# Altium PCB PCB1.PcbDoc (part 2 of 3) (continued)
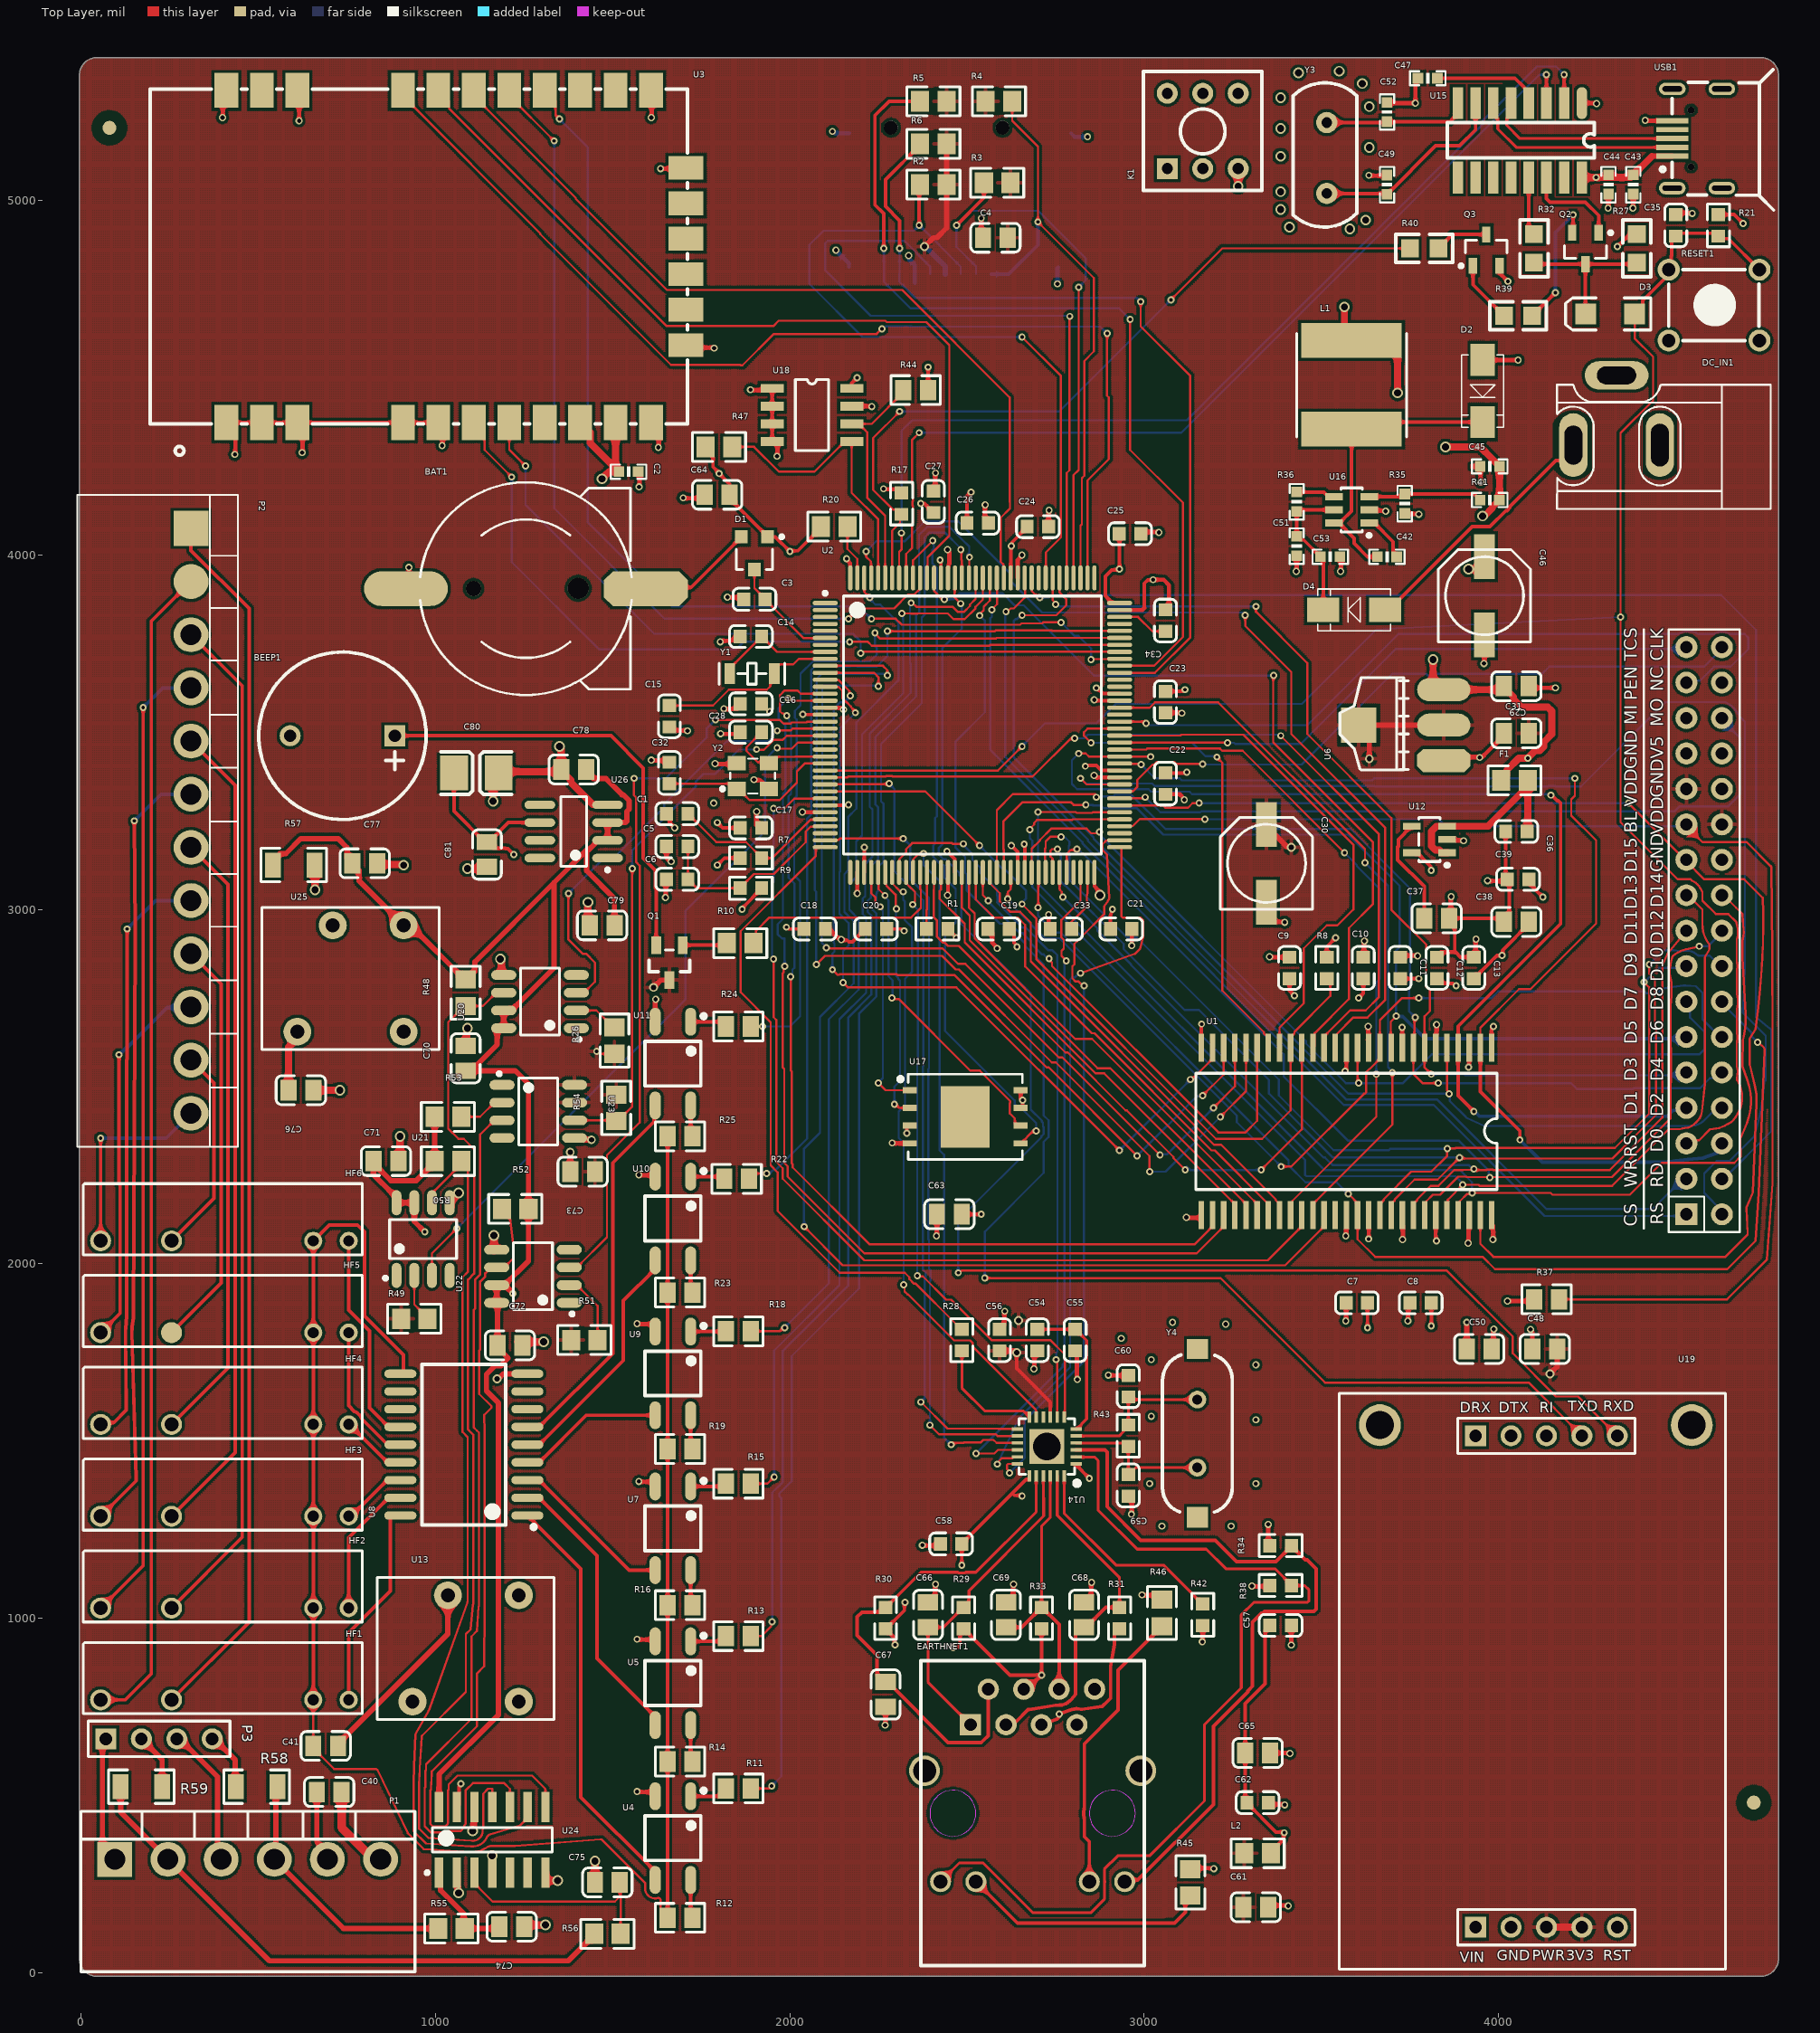
[diagram p0: Top Layer view]
## Nets (pads, with @x,y where several pads share a name; then routed paths per layer and width w, separated by ;. In a path a pad name is that pad's centre, name@x,y a point inside that pad or via, vN(x,y) a via of type N, cw(c..) or ccw(c..) an arc to the next point about the centre after c; other vN are vias at no path point) (continued)
  Top Layer w6: U2.118@2682.32,3935.35 2683.1,3934.57 2683.1,3898 2698.31,3882.79 2702.47,3882.79 v1(2705.15,3880.11)
  Bottom Layer w6: v1(2705.15,3880.11) 2730.38,3880.11 2737.26,3887 4628,3887 4726.49,3788.51 4726.49,2696 4730,2692.49 4766.03,2663.7 4769.52,2660.21 4769.52,2374.52 TFTLCD1.4@4630,2235
FMC-NWE: TFTLCD1.3 U2.119 | length 3021.9
  Top Layer w6: v1(2610,3840) 2613.79,3840 2622.97,3849.18 2631.93,3849.18 2663.35,3880.61 2663.35,3934.64 U2.119@2662.64,3935.35
  Bottom Layer w6: v1(2610,3840) 2607.87,3837.87 2607.87,3430.05 2841.3,3196.62 2841.3,3193.01 3088.76,2945.55 3088.76,2945.04 3569.66,2464.15 3825.85,2464.15 4135,2155 4435,2155 4515,2235 TFTLCD1.3@4530,2235
FMC-SDCKE0: U1.37 U2.29 | length 2847.5
  Top Layer w6: v1(1954,2860) 1954,2695.78 1961.85,2687.93 1961.85,2287.52 1979.87,2269.5 1979.87,2240.33 2210.2,2010 3348.5,2010 3444.57,2106.06 U1.37@3444.57,2137.56 ; v1(1954,3285) 1985,3285 2012.53,3312.53 U2.29@2099.65,3312.53
  Bottom Layer w6: v1(1954,2860) 1954,2863.79 1949.54,2868.25 1949.54,3072.5 1954,3076.96 v1(1954,3285)
FMC-SDCLK: U1.38 U2.93 | length 2027.7
  Top Layer w6: U2.93@2930.35,3569.21 3015.43,3569.21 3030.21,3583.99 3208.88,3583.99 3623.1,3169.78 3623.1,3132.1 v1(3622.85,3131.85) v1@3622.85,3131.6 ; U1.38@3476.06,2137.56 3476.06,2169.06 3700,2392.99 v1(3700,2540)
  Bottom Layer w6: v1(3622.85,3131.85) 3688.11,3066.59 3688.11,2554.98 3700,2543.08 v1(3700,2540)
  other v1: 3622.85,3131.85
FMC-SDNCAS: U1.17 U2.132 | length 2345.1
  Top Layer w6: U2.132@2406.73,3935.35 2407.51,3934.57 2407.51,3898 2427.83,3877.68 2433.09,3877.68 v1(2435.77,3875) ; v1(3365,3660) 3364,3659 3364,3471 3645.7,3189.3 3645.7,3015.7 3577.5,2947.5 3577.5,2747.5 3480.94,2650.94 3480.94,2614.87 U1.17@3476.06,2610
  Bottom Layer w6: v1(2435.77,3875) 2461.5,3875 2478.34,3891.84 2600.29,3891.84 2634.01,3858.12 2659.8,3858.12 2857.92,3660 v1(3365,3660)
FMC-SDNE0: R8.2 U1.19 U2.28 | length 2281.3
  Top Layer w6: U2.28@2099.65,3332.99 2382.01,3332.99 v1(2535,3180) ; v1(2655.04,3015.16) 2655.04,3014.96 2695.42,2974.58 2695.42,2859.88 3202.53,2352.78 3332.78,2352.78 3413.07,2433.07 U1.19@3413.07,2610 3413.07,2641.5 3415.94,2644.37 3417.83,2644.37 3423.69,2650.23 3423.69,2654.75 3525,2756.06 3525,2794.68 R8.2@3515,2804.68
  Bottom Layer w6: v1(2535,3180) 2599.49,3115.51 2604.19,3115.51 2666,3053.7 2666,3029.79 2655.04,3018.83 v1(2655.04,3015.16)
FMC-SDNRAS: U1.18 U2.49 | length 1777.6
  Top Layer w6: U2.49@2406.73,3104.65 2406.73,3056.46 2406.3,3056.03 2406.3,2977.54 2415.22,2968.62 2415.22,2922.94 2432.31,2905.85 2437.54,2905.85 2446.51,2896.88 2477.07,2896.88 2777.48,2596.47 2784.13,2596.47 2947.27,2433.33 2950.52,2433.33 3082.39,2301.46 3082.39,2298.85 v1(3115.62,2265.62) ; v1(3330,2265) 3444.57,2379.57 U1.18@3444.57,2610
  Bottom Layer w6: v1(3115.62,2265.62) 3115.62,2269.41 3120,2273.79 3120,2275 3130,2265 v1(3330,2265)
FMC-SDNWE: U1.16 U2.26 | length 2436.1
  Top Layer w6: U2.26@2099.65,3372.36 2162.36,3372.36 2165,3375 2270.3,3375 2271.3,3376 2288.7,3376 2289.7,3375 2685,3375 2798.31,3488.31 v1(2803.62,3483) ; v1(3385,3490) 3390,3495 3390,3485 3661.55,3213.45 3661.55,2751.55 3625,2715 3581.06,2715 3507.56,2641.5 U1.16@3507.56,2610
  Bottom Layer w6: v1(2803.62,3483) 2830.69,3483 2840.93,3493.24 3377.97,3493.24 3381.21,3490 v1(3385,3490)
GND: BAT1.2 BEEP1.2 C1.1 C2.1 C3.1 C4.1 C5.1 C6.1 C7.1 C8.1 C9.1 C10.1 C11.1 C12.1 C13.1 C14.1 C15.1 C16.1 C17.1 C18.1 C19.1 C20.1 C21.1 C22.1 C23.1 C24.1 C25.1 C26.1 C27.1 C28.1 C29.1 C30.2 C31.1 C32.1 C33.1 C34.1 C35.2 C36.1 C37.1 C38.1 C39.1 C43.1 C44.1 C45.1 C46.2 C47.2 C48.2 C49.1 C50.2 C51.1 C52.1 C53.1 C54.1 C55.1 C56.1 C57.1 C58.1 C59.1 C60.1 C61.1 C62.1 C63.2 C64.2 C65.1 C66.1 C67.1 C68.1 C69.1 C73.2 D2.1 DC_IN1.2 DC_IN1.3 EARTHNET1.8 EARTHNET1.13 EARTHNET1.14 R1.1 R17.2 R34.2 R35.2 R37.1 R38.2 R42.1 R45.1 R46.1 RESET1.2 TF1.6 TF1.10 TF1.11 TF1.12 TF1.13 TFTLCD1.22 TFTLCD1.26 TFTLCD1.27 U1.6 U1.12 U1.28 U1.41 U1.46 U1.52 U1.54 U2.16 U2.31 U2.38 U2.51 U2.61 U2.83 U2.94 U2.107 U2.120 U2.130 U3.1 U3.2 U3.3 U3.4 U3.5 U3.11 U3.12 U3.17 U3.18 U3.26 U3.28 U4.2 U5.2 U6.1 U7.2 U9.2 U10.2 U11.2 U12.2 U14.25 U15.1 U16.2 U17.4 U18.1 U18.2 U18.3 U18.4 U18.7 U19.2@4035,128.41 U23.5 USB1.5 Y2.2 Y2.4 | length 7413
  Top Layer w6: v4(1380,2315) v4(1380,2315)
  Top Layer w10: U3.1@410.05,4373.78 U3.2@510.05,4373.78 U3.3@610.05,4373.78 U3.4@908.08,4373.78 U3.5@1008.08,4373.78 ; U18.4@1950,4320 U18.3@1950,4370 U18.2@1950,4420 U18.1@1950,4470 ; v2(2145,2915) 2146.91,2913.09 2162.1,2913.09 2166.43,2908.75 2176.43,2908.75 2198.39,2930.71 2199.38,2930.71 2212.68,2944.02 C20.1@2212.68,2945 ; v2(2190,3045) U2.38@2190,3104.65 ; v2(2445,3040) 2445.76,3040.76 2445.76,3074.28 2446.1,3074.63 U2.51@2446.1,3104.65 ; v2(2625,3180) 2642.95,3162.05 U2.61@2642.95,3104.65 ; 2644,3986.84 v2@2655,3997.84 ; v2(2858.75,3591.25) 2861.46,3591.25 2863.81,3588.9 U2.94@2930.35,3588.9 ; 3000.59,3850.66 3000.59,3920 3010.12,3929.53 3024.53,3929.53 v2(3025,3930) ; C52.1@3685,5277 C52.1@3687,5275 ; C13.1@3930,2865.31 3892.39,2865.31 3878.96,2878.75 3876.25,2878.75 3876.25,2958.79 C37.1@3860.04,2975 4004.96,2975 C38.1@4014.96,2965 4030,2980.04 4030,3074.69 4019.69,3085 C36.1@4019.69,3220 ; v2(3946.25,3428.75) 3948.16,3430.66 v2@3954.73,3430.66 ; C31.1@4014.96,3490.9 C31.1@4014.96,3497
  Top Layer w12: v2(398.75,5233.75) 400,5235 U3.28@400,5272.5 ; v2(433.75,4283.75) 435,4285 435,4322.5 ; v2(615,5225) U3.26@615,5282.5 ; v2(623.75,4288.75) 625,4290 U3.3@625,4327.5 ; BAT1.2@916.48,3905 925,3913.52 v2(925,3965) ; v2(1018.75,4308.75) 1020,4310 U3.5@1020,4347.5 ; v2(1568.75,511.25) 1570,510 U4.2@1607.5,510 ; v2(1568.75,941.25) 1570,940 U5.2@1607.5,940 ; v2(1568.75,1831.25) 1570,1830 U9.2@1607.5,1830 ; v2(1573.75,1386.25) 1575,1385 U7.2@1612.5,1385 ; v2(1573.75,2251.25) 1575,2250 U10.2@1612.5,2250 ; v2(1574.51,4192.13) 1575.76,4193.38 C2.1@1575.76,4230.88 ; v2(1608.75,3421.25) 1610,3420 C32.1@1647.5,3420 ; v2(1608.75,5233.75) 1610,5235 U3.18@1610,5272.5 ; U11.2@1620,2707.5 1620,2745 v2(1621.25,2746.25) ; v2(1628.75,4303.75) 1630,4305 U3.11@1630,4342.5 ; v2(1635,5090) 1704.53,5090 U3.17@1706.81,5092.28 ; v2(1648.75,3033.75) 1650,3035 C6.1@1650,3072.5 ; C5.1@1651.72,3177.5 1651.72,3145.72 1660.91,3136.53 1663.47,3136.53 v2(1665,3135) ; C1.1@1651.72,3270 1661.57,3260.15 1661.57,3243.44 v2(1675,3230) ; C15.1@1672.5,3505 1710,3505 v2(1711.25,3503.75) ; v2(1698.75,4161.25) 1700,4160 C64.2@1737.5,4160 ; U3.12@1747.5,4585 1785,4585 v2(1786.25,4583.75) ; v2(1788.75,3411.25) 1790,3410 Y2.4@1827.5,3410 ; v2(1803.75,3755) 1803.75,3755.25 1806.24,3757.74 1835.24,3757.74 C14.1@1842.5,3765 ; v2(1804.58,3495.99) 1805.57,3495 C28.1@1842.5,3495 ; v2(1813.75,3566.25) 1815,3565 C16.1@1852.5,3565 ; v2(1823.75,3881.25) 1825,3880 C3.1@1862.5,3880 ; v2(1888.75,4466.25) 1890,4465 U18.1@1927.5,4465 ; v2(1898.75,3366.25) 1900,3365 1915.55,3365 Y2.2@1940.55,3340 ; C17.1@1905,3237.5 1905,3275 v2(1906.25,3276.25) ; v2(1963.75,4278.75) 1965,4280 U18.4@1965,4317.5 ; v2(2035,3275) 2036.06,3273.94 U2.31@2070.21,3273.94 ; U2.16@2099.65,3569.21 2143.62,3569.21 2149.09,3563.75 v2(2151.25,3563.75) v2@2150,3565 ; C18.1@2100.31,2945 2110.66,2945 2138.31,2917.34 2142.66,2917.34 v2(2145,2915) ; U18.7@2192.5,4420 2230,4420 v2(2231.25,4418.75) ; v2(2264.26,4186.76) 2265.91,4185.1 2302.4,4185.1 R17.2@2302.5,4185 ; v2(2268.75,698.75) 2270,700 C67.1@2270,737.5 ; v2(2288.75,2341.25) 2290,2340 U17.4@2327.5,2340 ; v2(2373.75,1206.25) 2375,1205 C58.1@2412.5,1205 ; C66.1@2410,1057.5 2410,1095 v2(2411.25,1096.25) ; C27.1@2410,4192.5 2410,4230 v2(2411.25,4231.25) ; v2(2413.75,2078.75) 2415,2080 C63.2@2415,2117.5 ; v2(2445,4015) 2445,4012.84 2449.77,4008.07 2449.77,3975.04 2447.88,3973.15 2447.88,3966.47 U2.130@2446.2,3964.79 ; R1.1@2446.31,2945 2446.31,2944.02 v2(2470.6,2919.73) ; v2(2540,4950) 2540,4878.75 C4.1@2540.62,4878.12 ; C26.1@2550,4102.5 2550,4140 v2(2551.25,4141.25) ; C19.1@2558.68,2945 2570.99,2932.69 2570.99,2906.17 2585,2892.16 v2(2585,2890) ; C56.1@2605,1827.5 2605,1865 v2(2606.25,1866.25) ; C69.1@2630,1057.5 2630,1095 v2(2631.25,1096.25) ; U2.120@2642.95,3935.35 2642.95,3985.79 2644,3986.84 ; v2@2655,3997.84 v2(2655,4000) ; v2(2688.75,1703.75) 2690,1705 C54.1@2690,1742.5 ; C33.1@2730,2948.7 v2(2730,2985) ; C24.1@2730,4087.5 2730,4125 v2(2731.25,4126.25) ; C55.1@2805,1754.68 2810,1749.68 2810,1675 v2(2811.07,1673.93) ; C68.1@2850,1062.5 2850,1100 v2(2851.25,1101.25) ; 2867.1,3372.36 U2.83@2930.35,3372.36 ; v2(2898.75,1686.25) 2900,1685 C60.1@2937.5,1685 ; U2.107@2930.35,3844.8 2994.73,3844.8 3000.59,3850.66 ; v2(2963.75,1293.75) 2965,1295 C59.1@2965,1332.5 ; v2(2964.75,2897.9) 2964.75,2937.25 C21.1@2965,2937.5 ; v2(2993.75,1066.25) 2995,1065 R46.1@3032.5,1065 ; C25.1@3002.5,4065 3040,4065 v2(3041.25,4063.75) ; v2(3025,3930) 3055,3930 3070,3915 3070,3855.31 C34.1@3060,3845.31 ; C22.1@3062.5,3325 3101.05,3325 3101.05,3323.42 3112.86,3311.61 v2(3112.86,3309.45) ; C23.1@3067.5,3555 3105,3555 v2(3106.25,3553.75) ; v2(3118.75,2131.25) 3120,2130 U1.28@3157.5,2130 ; R45.1@3157.5,295 3195,295 v2(3196.25,293.75) ; v2(3163.75,933.75) 3165,935 R42.1@3165,972.5 ; v2(3303.75,1091.25) 3305,1090 R38.2@3342.5,1090 ; R34.2@3350,1222.5 v2(3350,1265) ; v2(3353.75,2866.25) 3355,2865 C9.1@3392.5,2865 ; C62.1@3357.5,475 3395,475 v2(3396.25,473.75) ; C30.2@3357.5,2965 3395,2965 v2(3396.25,2963.75) ; C61.1@3367.5,190 3405,190 v2(3406.25,188.75) ; C65.1@3372.5,620 3410,620 v2(3411.25,618.75) ; v2(3415,924.71) C57.1@3415,980 ; v2(3428.75,3953.75) 3430,3955 C51.1@3430,3992.5 ; v2(3553.75,3953.75) 3555,3955 C53.1@3555,3992.5 ; v2(3568.75,1838.75) 3570,1840 C7.1@3570,1877.5 ; v2(3568.75,2078.75) 3570,2080 U1.41@3570,2117.5 ; C10.1@3620,2872.5 3620,2910 v2(3621.25,2911.25) ; U1.12@3630,2632.5 3631.64,2634.14 v2(3631.64,2670.08) ; v2(3633.75,5071.25) 3635,5070 C49.1@3672.5,5070 ; U16.2@3642.5,4125 3680,4125 v2(3681.25,4123.75) ; C52.1@3687,5275 v2(3765,5275) 3765,5327.5 C47.2@3770,5332.5 ; v2(3728.75,2068.75) 3730,2070 U1.46@3730,2107.5 ; C11.1@3732.5,2870 3770,2870 v2(3771.25,2868.75) ; R35.2@3735,4115 3736.25,4116.25 3773.75,4116.25 v2(3775,4115) ; v2(3743.75,1838.75) 3745,1840 C8.1@3745,1877.5 ; U1.6@3825,2647.5 v2(3825,2675) ; C12.1@3837.5,2880 3875,2880 3876.25,2878.75 ; U12.2@3862.5,3195 3900,3195 v2(3901.25,3193.75) ; C37.1@3865,2997.5 3865,3035 v2(3866.25,3036.25) ; U6.1@3907.5,3430 3945,3430 v2(3946.25,3428.75) ; v2(3913.75,2058.75) 3915,2060 U1.52@3915,2137.56 ; C13.1@3935,2877.5 3935,2915 v2(3936.25,2916.25) ; C45.1@3948,4250 3949,4249 3949,4206 v2(3950,4205) ; v2@3954.73,3430.66 C31.1@4014.96,3490.9 ; D2.1@3955,4550 v2(4055,4550) ; v2(3958.75,3693.75) 3960,3695 C46.2@3960,3732.5 ; v2(3968.75,3081.25) 3970,3080 C39.1@4007.5,3080 ; v2(3983.75,2068.75) 3985,2070 U1.54@3985,2107.5 ; C50.2@3985,1777.5 3985,1815 v2(3986.25,1816.25) ; v2(4025,1895) R37.1@4099.96,1895 ; v2(4090,1815) 4090,1812.84 4095,1807.84 C48.2@4095,1777.5 ; C29.1@4100,3607.5 4100,3623.13 4101.87,3625 v2(4160,3625) ; U15.1@4237.5,5275 4275,5275 v2(4276.25,5273.75) ; v2(4308.75,4978.75) 4310,4980 C44.1@4310,5017.5 ; v2(4378.75,4978.75) 4380,4980 C43.1@4380,5017.5 ; v2(4413.75,5226.25) 4415,5225 USB1.5@4452.5,5225 ; C35.2@4507.5,4965 4545,4965 v2(4546.25,4963.75)
  Top Layer w13: v5(2858.06,3378.06) 2859.95,3378.06 2865.65,3372.36 2867.1,3372.36
  Top Layer w15: C73.2@1379.96,2260 v4(1380,2315) ; U23.5@1385,2350.04 v4(1440,2350)
  Bottom Layer w10: v2(2120,5195) v2@2125,5190 ; v2@2130,4859.02 v2(2130,4860) ; TF1.10@2167.13,4812.05 TF1.10@2167.13,4821.89 ; TF1.13@2755,4809.37 TF1.13@2757.68,4812.05 ; TF1.12@2793.11,5190 TF1.12@2803.11,5180
  Bottom Layer w12: v2@2125,5190 TF1.11@2167.13,5190 ; v2@2130,4859.02 TF1.10@2167.13,4821.89 ; v2(2334.89,4844.89) 2336.43,4843.36 2336.43,4833.97 2352.17,4818.23 TF1.6@2352.17,4792.36 TF1.6@2352.17,4767.83 ; v2(2755,4765) TF1.13@2755,4809.37 ; TF1.12@2803.11,5180 v2(2840,5180)
  other v2: 3050,1260 3245,1260 3015,1380 3315,1380 3315,1560 3020,1570 3315,1715 3020,1730 2935,1790 3230,1830 3080,1835 1785,3300
  other v3: 3580,4920 3410,4925 3625,4945 3385,4975 3385,5025 3385,5125 3635,5150 3385,5203.26 3635,5265 3385,5290 3615,5330 3435,5360 3550,5365
GND-5: C76.2 U25.1 | length 175.4
  Top Layer w20: C76.2@584.96,2490 584.96,2611.63 610,2636.67 U25.1@610,2655
GND-24: C40.2 P1.6 U13.1 | length 727.7
  Top Layer w25: C40.2@735.04,510 735.04,409.96 798.68,346.32 798.82,346.32 828.46,316.67 P1.6@828.46,316.54
  GND w25: P1.6@842.72,307.72 935,400 U13.1@935,765
GND-Relay: C41.2 U8.9 U13.7 | length 1315.2
  Top Layer w15: C41.2@725.04,640 725.04,646.1 1035,956.06 U13.7@1035,1065 ; v4(1173.7,1675.99) 1175.61,1677.91 1179.27,1677.91 1191.36,1690 U8.9@1259.13,1690
  GND w15: U13.7@1035,1065 1035,1541 1141.79,1647.79 1145.5,1647.79 v4(1173.7,1675.99)
I2C1-SCL: R44.1 U2.139 U18.6 | length 654
  Top Layer w6: U18.6@2174.41,4370 U18.6@2194.41,4370 ; U2.139@2268.94,3935.35 2268.94,4111.06 2218,4162 2218,4346.41 2211.47,4352.94 U18.6@2194.41,4370 ; R44.1@2319.96,4465 2319.96,4458.9 2231.06,4370 U18.6@2194.41,4370
I2C1-SDA: R47.1 U2.140 U18.5 | length 816.9
  Top Layer w6: R47.1@1837.4,4305 1899,4305 1969,4235 2069.41,4235 2154.41,4320 U18.5@2174.41,4320 2174.41,4175.29 2249.25,4100.45 U2.140@2249.25,3935.35
L_MISO: U2.134 U3.22 | length 2462.1
  Top Layer w6: U3.22@1208.08,5310.79 1208.08,5295.04 v1(1335,5168.12) v1@1335,5165 ; v1(2165,3820) 2194.17,3849.17 2294,3849.17 2332.69,3887.85 2350.78,3887.85 2367.36,3904.43 U2.134@2367.36,3935.35
  Bottom Layer w6: v1(1335,5168.12) 1335,4131.78 1646.78,3820 v1(2165,3820)
L_MOSI: U2.122 U3.23 | length 2405.3
  Top Layer w6: U3.23@1108.08,5310.79 1108.08,5295.04 1395.79,5007.33 1395.79,5005.06 1653.04,4747.81 2316.89,4747.81 2620,4444.7 2620,4149.7 2621,4148.7 2621,4131.3 2595,4105.3 2595,3980.52 2602.8,3972.71 2602.8,3936.13 U2.122@2603.58,3935.35
L_NSS: U2.110 U3.25 | length 3089.3
  Top Layer w6: U3.25@908.08,5310.79 908.08,5295.04 1295.79,4907.33 1295.79,4905.06 1664.4,4536.45 1859.9,4536.45 1861.31,4535.04 1866.28,4535.04 1954.92,4623.67 2244.88,4623.67 2259.06,4637.85 v1(2260,4637.85) ; U2.110@2839.8,3935.35 2839.9,3935.45 2839.9,4210.16 2900,4270.26 2900,4444.54 2895,4449.54 v1(2895,4625)
  Bottom Layer w6: v1(2260,4637.85) 2263.36,4637.85 2270.51,4645 2343.59,4645 2344.31,4644.28 2875.72,4644.28 v1(2895,4625)
L_RST: U2.100 U3.21 | length 2955.3
  Top Layer w6: U3.21@1308.08,5310.79 1338.55,5280.32 1338.55,5241.45 v1(1350,5230) ; v1(2230,3820) 2298.84,3820 2315.69,3803.15 2649.76,3803.15 2653.76,3807.15 2712.06,3807.15 2714.91,3810 v1(2765,3810) ; v1(2850,3704.62) 2851.61,3706.23 2929.57,3706.23 U2.100@2930.35,3707.01
  Bottom Layer w6: v1(1350,5230) 1430,5150 1430,4091.78 1666.78,3855 2195,3855 v1(2230,3820) ; v1(2765,3810) 2803.34,3771.66 2814.34,3771.66 2850,3736 v1(2850,3704.62)
L_RX_EN: U2.102 U3.6 | length 2269.6
  Top Layer w6: U3.6@1108.08,4373.78 1138.55,4343.31 1138.55,4296.45 v1(1215,4220) ; v1(2168.67,3755) 2220.3,3755 2231.3,3744 2563.53,3744 2565.91,3746.38 U2.102@2930.35,3746.38
  Bottom Layer w6: v1(1215,4220) 1215,3980 1461,3734 1848,3734 1869,3755 v1(2168.67,3755)
L_SCK: U2.133 U3.24 | length 2446.8
  Top Layer w6: U3.24@1008.08,5310.79 1038.55,5280.32 1038.55,5259.69 1652.27,4645.96 1953.5,4645.96 1968.24,4660.7 2269.46,4660.7 2273.16,4657 2385.28,4657 2450,4592.28 2450,4055 2400,4005 2388.57,3993.57 2388.57,3973.46 2388.06,3972.95 2388.06,3936.37 U2.133@2387.05,3935.35
L_TX_EN: U2.101 U3.7 | length 2123
  Top Layer w6: U3.7@1208.08,4373.78 1208.08,4296.92 v1(1253.92,4251.08) ; v1(2200,3722.85) 2203.79,3722.85 2208.41,3727.47 2929.57,3727.47 U2.101@2930.35,3726.69
  Bottom Layer w6: v1(1253.92,4251.08) 1253.92,4141.08 1617.15,3777.85 2178.13,3777.85 2200,3755.98 v1(2200,3722.85)
LCD-BL: R37.2 TFTLCD1.23 U2.76 | length 3644.9
  Top Layer w6: U2.76@2930.35,3234.57 2931.13,3235.35 2967.71,3235.35 2987.37,3255 3170,3255 v1(3170.77,3254.23) ; R37.2@4170.73,1900 4644.8,1900 4755.01,2010.21 4756.58,2011.78 4772.85,2228 4772.85,2634.48 4771.8,2877.62 4771.8,2882.59 4771.8,2882.67 4769.69,3120.31 4767.95,3122.05 4700,3190 4575,3190 TFTLCD1.23@4530,3235
  Bottom Layer w6: v1(3170.77,3254.23) 3830.88,3254.23 3850.11,3235 TFTLCD1.23@4530,3235
LED4/MCU-Relay6: R24.1 U2.103 | length 2133.9
  Top Layer w6: R24.1@1890.04,2670 v1(1923.15,2670) ; v1(2240,3780) 2240,3779.11 2255.11,3764 2581.19,3764 2583.25,3766.06 U2.103@2930.35,3766.06
  Bottom Layer w6: v1(1923.15,2670) 2000,2670 2028.7,2698.7 2028.7,3079.39 2012.15,3095.94 2012.15,3312.57 2019,3319.42 2019,3536.04 2014,3541.04 2014,3559.87 2030,3575.87 2030,3665 2065,3700 2225.7,3700 2245,3719.3 2245,3737.76 2240,3742.76 v1(2240,3780)
LINK-LED: EARTHNET1.12 R34.1 U14.3 | length 2153.4
  Top Layer w10: U14.3@2807.72,1475.39 2888.75,1475.39 2895,1469.14 2895,1315 2990,1220 3200,1220 3260,1160 3371.3,1160 R34.1@3415.31,1204.02 ; EARTHNET1.12@2944.84,257.09 2950.21,262.45 2982.45,262.45 3195,475 3195,695 3292,792 3292,795.34 3305,808.34 3305,989.14 3330,1014.14 3333.28,1014.14 3339.14,1020 3479.14,1020 3485,1025.86 3485,1140 3459.65,1165.35 3453.98,1165.35 R34.1@3415.31,1204.02 ; R34.1@3415.31,1205 R34.1@3415.31,1204.02
MCU-Relay1: R11.1 U2.128 | length 3995
  Top Layer w6: R11.1@1890.04,520 1941.73,520 v1(1948.9,527.17) ; v1(2482.44,4014.95) 2485.12,4012.27 2485.12,4005.06 2485.24,4004.93 2484,4003.7 2484,3986.3 2485.24,3985.07 2485.24,3935.59 U2.128@2485.47,3935.35
  Bottom Layer w6: v1(1948.9,527.17) 1976,554.27 1976,1339 1970,1345 1970,1351.98 2005,1386.98 2005,1740 2195,1930 2195,2705.4 2244,2754.4 2244,2988.65 2233.81,2998.84 2233.81,3016.24 2244,3026.42 2244,3043.7 2245.22,3044.92 2245.22,3048.62 2249,3052.41 2249,3119.56 2264.55,3135.11 2264.55,3297.43 2257.15,3304.83 2257.15,3467.15 2372,3582 2372,3823.98 2380.85,3832.83 2380.85,3954.31 2380.37,3954.78 2380.37,4050 2393.76,4063.39 2437.56,4063.39 2482.44,4018.51 v1(2482.44,4014.95)
MCU-Relay2: R13.1 U2.127 | length 3604.4
  Top Layer w6: R13.1@1890.04,950 1920,950 1947.32,977.32 1947.32,987.32 v1(1950,990) ; U2.127@2505.16,3935.35 2506,3936.2 2506,3993.05 v1(2506.85,3993.89)
  Bottom Layer w6: v1(1950,990) 1950,1354.39 1980,1384.39 1980,1755 2165,1940 2165,2695.2 2230,2760.2 2230,2982.85 2219.81,2993.04 2219.81,3024.65 2228.15,3032.99 2228.15,3033.65 2228.34,3033.84 2228.34,3121.31 2248.7,3141.68 2248.7,3288.77 2241.3,3296.17 2241.3,3486.3 2356,3601 2356,3830.39 2365,3839.39 2365,3947.74 2364.52,3948.22 2364.52,4056.57 2387.19,4079.24 2450.45,4079.24 2486.47,4043.22 ; 2486.48,4043.22 2506,4023.7 2506,4006.3 2499.85,4000.15 2506.11,3993.89 v1(2506.85,3993.89)
MCU-Relay3: R15.1 U2.126 | length 2984.1
  Top Layer w6: R15.1@1890.04,1380 1936.54,1380 v1(1955.63,1399.09) ; v1(2342.15,3865) 2345.94,3865 2356.94,3854 2458.69,3854 2472.82,3839.86 2491.75,3839.86 2507.91,3856.02 2507.91,3860.05 2524.06,3876.21 2524.06,3934.57 U2.126@2524.84,3935.35
  Bottom Layer w6: v1(1955.63,1399.09) 1955.63,1755.63 2140,1940 2140,2690 2215,2765 2215,2978.05 2205.81,2987.24 2205.81,3031.11 2212.49,3037.79 2212.49,3127.88 2232.85,3148.24 2232.85,3282.21 2225.45,3289.61 2225.45,3495.65 2341,3611.2 2341,3694.3 2339,3696.3 2339,3855.21 2339.47,3855.68 2339.47,3862.32 v1(2342.15,3865)
MCU-Relay4: R18.1 U2.125 | length 2598.3
  Top Layer w6: R18.1@1890.04,1810 1971.21,1810 1981.21,1820 v1(1985,1820) ; v1(2316.15,3835) 2341.4,3835 2342.3,3834.09 2359.7,3834.09 2360.61,3835 2445.5,3835 2461.5,3819 2493.3,3819 2523.76,3849.46 2523.76,3853.49 2544.53,3874.26 U2.125@2544.53,3935.35
  Bottom Layer w6: v1(1985,1820) 2110,1945 2110,2690 2194,2774 2194,2972.65 2167.75,2998.9 2167.75,3071.97 2187.15,3091.37 2187.15,3192.11 2203.7,3208.66 2203.7,3493.7 2320,3610 2320,3817.42 2318.83,3818.59 2318.83,3832.32 v1(2316.15,3835)
MCU-Relay5: R22.1 U2.104 | length 2491
  Top Layer w6: R22.1@1885.04,2240 1900.04,2255 v1(1934,2255) ; v1(2275,3785) 2578.66,3785 2580.81,3787.15 2738.77,3787.15 2740.18,3785.75 U2.104@2930.35,3785.75
  Bottom Layer w6: v1@1939,2255 1942.79,2255 1952.84,2265.06 1960.06,2265.06 2049,2354 2049,3256.69 2059.75,3267.44 2059.75,3674.75 2070,3685 2170.3,3685 2171.3,3686 2188.7,3686 2189.7,3685 2245,3685 2275,3715 v1(2275,3785)
NetBAT1_1: BAT1.1 D1.2 | length 345.8
  Top Layer w10: BAT1.1@1580,3900 1588.57,3908.57 1720.9,3908.57 1862.6,4050.27 D1.2@1862.6,4051.26
NetBEEP1_1: BEEP1.1 Q1.2 | length 1253.6
  Top Layer w10: BEEP1.1@885,3490 1495,3490 1586,3399 1586,3144.09 1620.41,3109.68 1620.41,3060.32 1622.6,3058.14 Q1.2@1622.6,2899.21
NetC1_2: C1.2 R7.1 U2.32 | length 485.5
  Top Layer w6: C1.2@1712.35,3270 1712.35,3269.02 1727.65,3253.71 1728.64,3253.71 1792.35,3190 1876.3,3190 1920.31,3145.98 R7.1@1920.31,3145 1950,3145 2058.47,3253.47 2098.87,3253.47 U2.32@2099.65,3254.25
NetC3_2: C3.2 D1.3 U2.6 | length 310.7
  Top Layer w6: D1.3@1900,3958.74 1900,3906.3 1930.32,3875.98 C3.2@1930.32,3875 ; C3.2@1930.32,3874.02 2039.05,3765.28 U2.6@2099.65,3765.28
NetC5_2: C5.2 C6.2 R9.2 U2.33 | length 581.2
  Top Layer w6: C5.2@1712.35,3177.5 C6.2@1712.35,3085 1712.35,3084.02 1727.65,3068.71 1728.64,3068.71 1737.35,3060 R9.2@1859.68,3060 1859.68,3060.98 1898.7,3100 1955,3100 2045,3190 2045,3220 2058.79,3233.79 2098.87,3233.79 U2.33@2099.65,3234.57
NetC14_2: C14.2 U2.8 Y1.1 | length 339.9
  Top Layer w6: Y1.1@1830,3665 1830,3679.76 1905.94,3755.71 1907.01,3755.71 C14.2@1920.32,3769.02 ; C14.2@1920.32,3770 C14.2@1920.32,3769.02 ; U2.8@2099.65,3726.69 1963.62,3726.69 1936.61,3753.71 1935.62,3753.71 C14.2@1920.32,3769.02
NetC15_2: C15.2 U2.9 Y1.2 | length 516.9
  Top Layer w6: C15.2@1660,3575.32 1783.3,3575.32 1827.99,3620 1935,3620 1944.22,3629.22 1944.22,3653.24 Y1.2@1955.98,3665 1955.98,3679.76 1967.75,3691.53 2009.85,3691.53 2025.33,3707.01 U2.9@2099.65,3707.01
NetC28_2: C28.2 U2.23 Y2.3 | length 314.9
  Top Layer w6: C28.2@1920.32,3500 1920.32,3499.02 1905.01,3483.71 1904.02,3483.71 1877.64,3457.33 1877.64,3452.36 1877.63,3447.37 1909.48,3415.52 1937.86,3415.52 Y2.3@1940.55,3412.83 1958.22,3430.5 2014.83,3430.5 2015.75,3431.42 U2.23@2099.65,3431.42
NetC32_2: C32.2 U2.24 Y2.1 | length 520.6
  Top Layer w6: C32.2@1660,3354.68 1835.32,3354.68 Y2.1@1850,3340 1854.92,3340 1886.59,3308.33 1970.7,3308.33 2020,3357.63 2020,3390 2041.73,3411.73 U2.24@2099.65,3411.73
NetC33_2: C33.2 U2.71 | length 160.3
  Top Layer w6: C33.2@2794,2964 2794,2964.67 2810.62,2981.29 2811.29,2981.29 2838.05,3008.05 2839.8,3009.8 2839.8,3014.77 2838.77,3021.19 cw(c2899.26,3030.94) 2838.97,3041.85 2839.8,3046.44 U2.71@2839.8,3104.65
NetC34_2: C34.2 U2.106 | length 146.4
  Top Layer w6: U2.106@2930.35,3825.12 2982.53,3825.12 3022.96,3784.68 C34.2@3060,3784.68
NetC36_2: C36.2 F1.2 U12.1 U12.3 | length 571
  Top Layer w20: U12.1@3855,3160 3840,3160 3832.45,3167.55 3821.78,3167.55 3810.15,3179.18 3810.15,3220.15 3824.8,3234.8 3969.8,3234.8 4066.5,3331.5 4066.5,3345.06 4068.52,3347.09 F1.2@4082.09,3347.09 ; C36.2@4080.32,3220 4082.09,3221.77 F1.2@4082.09,3347.09 ; F1.2@4082.09,3364 F1.2@4082.09,3347.09
NetC37_2: C37.2 U12.4 | length 307.3
  Top Layer w10: U12.4@3755,3234.8 3717,3196.8 3717,3178 3715.15,3176.15 3715.15,3139.85 3789.96,3065.04 C37.2@3789.96,2975
NetC42_1: C42.1 D2.2 L1.2 U16.6 | length 844.5
  Top Layer w10: C42.1@3658,3995 3630,3995 3592.5,4032.5 3592.5,4047.5 3550,4090 U16.6@3535,4090 3540,4095 3555.98,4095 3585,4124.02 L1.2@3585,4355 3605,4375 D2.2@3955,4375
NetC42_2: C42.2 U16.1 | length 136
  Top Layer w10: U16.1@3635,4090 3650,4090 3702.5,4037.5 3702.5,4004.94 C42.2@3712.5,3994.94
NetC47_1: C47.1 U15.4 | length 305.2
  Top Layer w10: C47.1@3827,5345 4046,5345 4070.68,5320.33 4070.68,5319.32 4085,5305 U15.4@4085,5275
NetC49_2: C49.2 U15.7 Y3.1 | length 571.6
  Top Layer w10: Y3.1@3515,5020 3682.44,5020 C49.2@3684.94,5017.5 3822.44,5155 3890,5155 3935,5200 U15.7@3935,5275
NetC51_2: C51.2 C53.2 D4.2 R36.1 U16.5 | length 421.7
  Top Layer w10: D4.2@3505,3845 3505,3987.56 C53.2@3497.5,3995.06 3450.06,4042.5 3440.06,4042.5 C51.2@3430.06,4052.5 3430.06,4122.94 R36.1@3430,4123 3434.4,4127.4 U16.5@3535,4127.4
NetC52_2: C52.2 U15.8 Y3.2 | length 410.4
  Top Layer w10: Y3.2@3515,5220 3682.44,5220 C52.2@3684.94,5222.5 3862.5,5222.5 3885,5245 U15.8@3885,5275
NetC54_2: C54.2 C55.2 U14.6 | length 414.4
  Top Layer w8: C54.2@2698.33,1815.31 C55.2@2805,1815.31 2805.98,1815.31 2837.29,1784.01 2837.29,1562.29 U14.6@2808.47,1533.47
NetC59_2: C59.2 R43.1 U14.4 Y4.1 | length 431.1
  Top Layer w8: U14.4@2807.72,1494.84 2939.84,1494.84 2955,1479.69 C59.2@2955,1405.32 2955.98,1405.32 2975.67,1425 Y4.1@3150,1425
NetC60_2: C60.2 R43.2 U14.5 Y4.2 | length 441
  Top Layer w8: U14.5@2807.72,1514.53 2929.21,1514.53 2939.71,1525.02 2939.71,1526.01 2954.02,1540.32 2955,1540.32 C60.2@2955,1624.68 2962.56,1617.13 Y4.2@3150,1617.13
NetC74_2: C74.2 R55.2 U24.1 | length 287.1
  Top Layer w15: U24.1@1010,282.48 1014.31,278.17 1014.31,232.56 1079.22,167.65 1079.22,128.19 R55.2@1082.4,125 1174.96,125 C74.2@1179.96,130